# Altium PCB QAM16_PCB.PcbDoc (part 2 of 3)
Units mm, origin at the board's own origin, x right, y up, seen from the top; angles counter-clockwise.
Board outline 146.25 x 74.25 mm, 4 copper layers (Top Layer, MidLayer1, MidLayer2, Bottom Layer), stack 1.554 mm thick; 210 components, 131 nets, 714 pads, 562 vias.
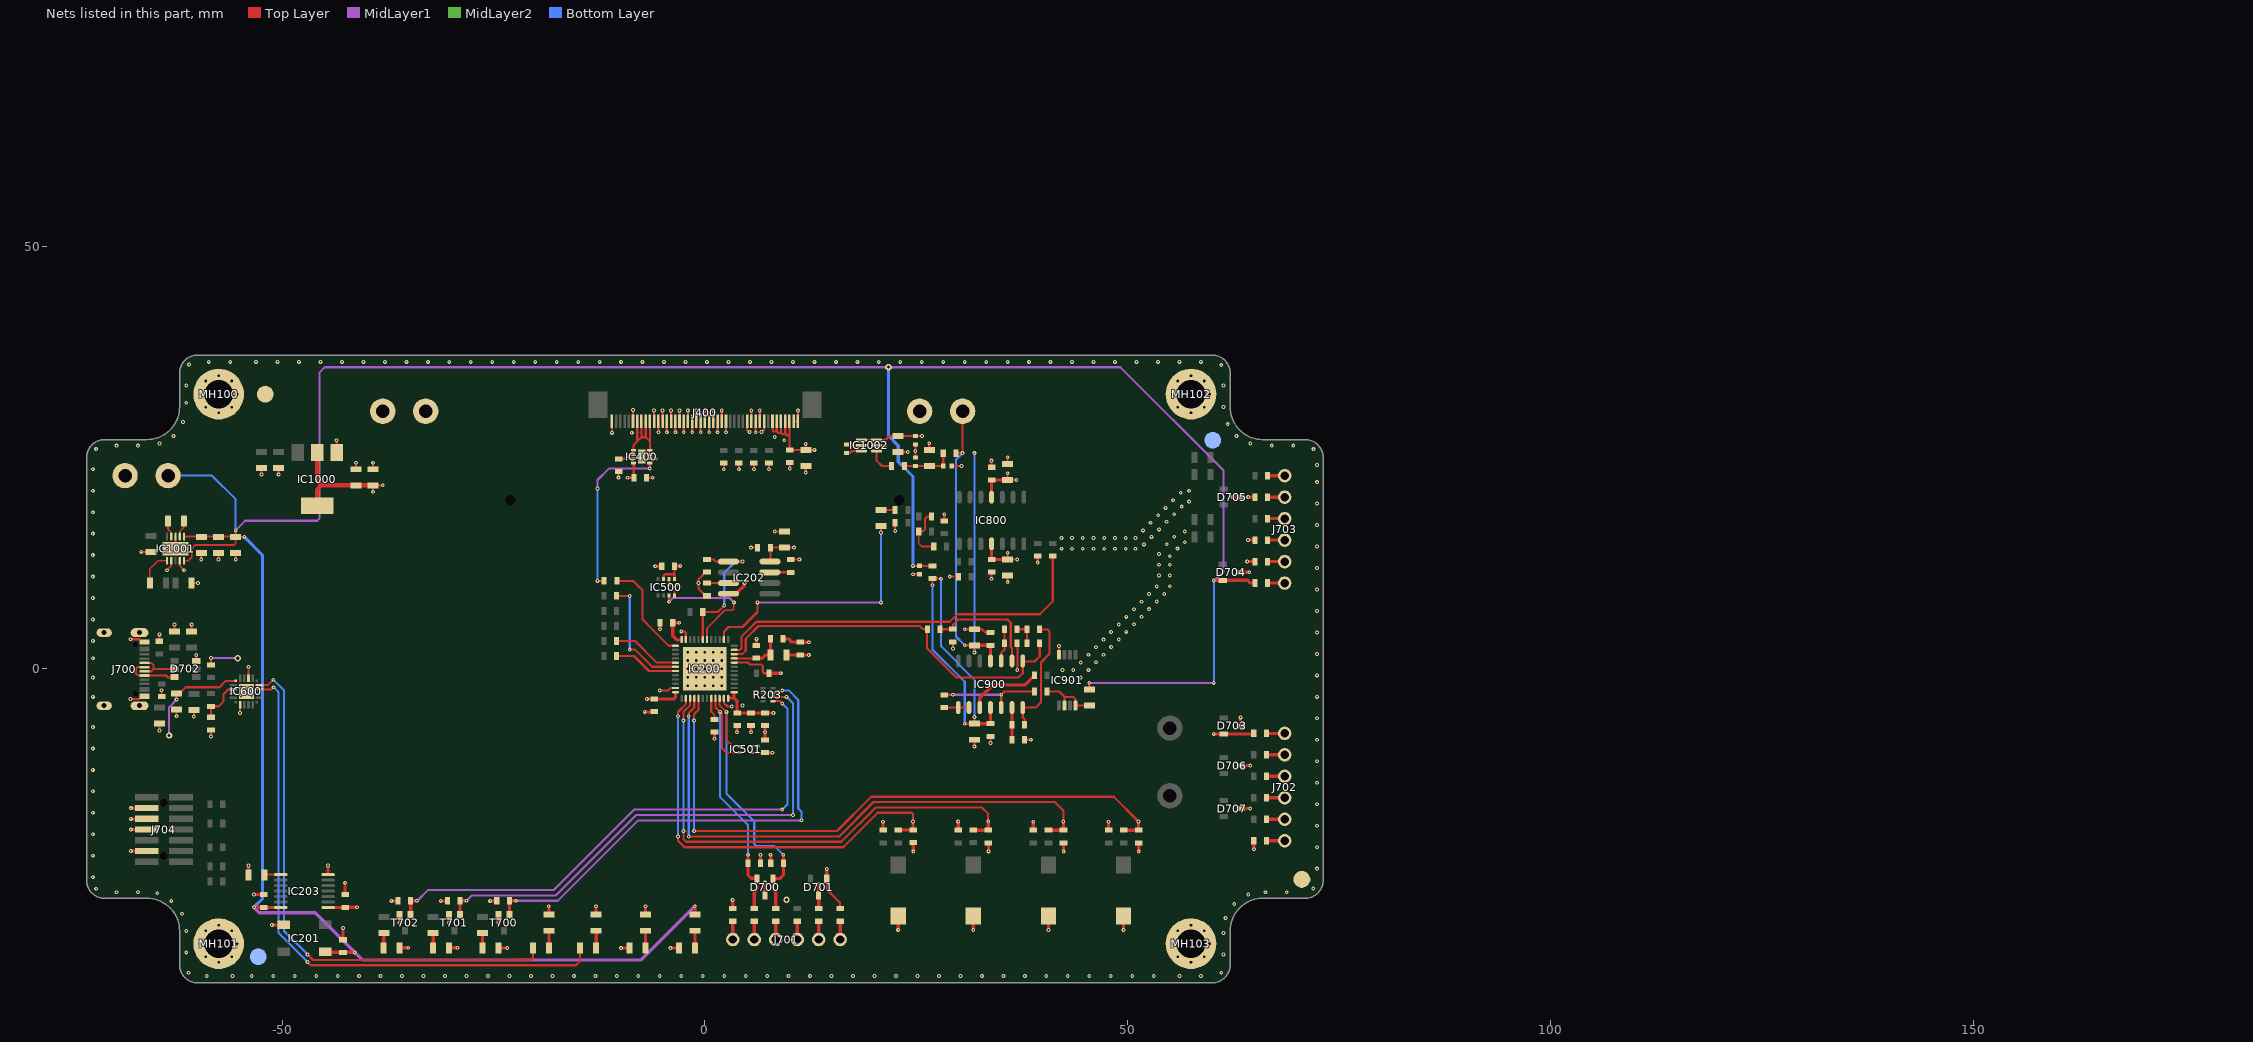
[diagram p4: the nets of this part, all layers, seen from the top]

## Via types
v1: diameter 0.45, hole 0.2, Top Layer to Bottom Layer, tented both sides, 558 vias
v2: diameter 0.762, hole 0.381, Top Layer to Bottom Layer, tented both sides, 3 vias
v3: diameter 0.813, hole 0.356, Top Layer to Bottom Layer, tented both sides, 1 vias

## Nets (pads, with @x,y where several pads share a name; then routed paths per layer and width w, separated by ;. In a path a pad name is that pad's centre, name@x,y a point inside that pad or via, vN(x,y) a via of type N, cw(c..) or ccw(c..) an arc to the next point about the centre after c; other vN are vias at no path point)
+3V3: C200.1 C201.1 C202.1 C203.1 C204.1 C205.1 C206.1 C207.1 C212.1 C400.1 C401.1 C402.1 C500.1 C502.1 C601.1 C1002.1 C1003.1 C1009.1 C1010.1 D701.1 D703.2 D708.1 D709.1 D710.1 FE700.1 FE706.1 IC200.1 IC200.24 IC200.36 IC200.48 IC202.8 IC203.1 IC400.8 IC500.6 IC500.8 IC501.3 IC600.6 IC1000.2 IC1000.4 IC1002.3 IC1002.4 J400.3 J400.4 J400.5 J400.6 J400.7 J400.40 J704.3 L200.1 R200.2 R201.2 R204.2 R205.1 R300.1 R301.1 R302.1 R303.1 R402.2 R407.2 R408.2 R409.2 R602.2 R603.2 R700.1 R703.1 R704.1 R1000.1 TP704.1 | length 122.4
  Top Layer w0.203: R205.1@-53.975,-24.379 R205.1@-53.97,-24.384
  Top Layer w0.254: v1(-62.484,-3.623) C601.1@-62.484,-3.094 ; C601.1@-62.484,-2.921 -62.261,-2.698 -61.941,-2.698 -61.402,-2.159 -57.404,-2.159 -56.662,-1.417 IC600.6@-55.479,-1.417 ; R700.1@-58.42,0.484 v1(-58.42,1.295) ; C212.1@-42.56,-28.209 C212.1@-42.545,-28.194 ; v1(-39.243,20.95) C1003.1@-39.243,21.717 v1(-38.1,21.717) ; v1(-9.144,22.606) C402.1@-8.382,22.606 -8.418,22.642 IC400.8@-8.418,24.356 IC400.8@-8.423,24.351 ; v1(-8.51,30.632) -8.501,30.624 J400.40@-8.501,29.285 ; IC500.6@-4.897,10.627 -4.873,10.651 -4.873,11.058 -4.724,11.207 -3.779,11.207 -3.597,11.389 ; IC500.8@-3.597,10.627 -3.597,11.389 ; C500.1@-3.597,11.897 -3.597,11.389 ; IC200.36@-3.48,-2.755 IC200.36@-3.475,-2.75 ; R200.2@0.254,8.66 0.081,8.833 -0.104,8.833 -0.762,9.491 v1(-0.762,10.16) -0.744,10.178 -0.744,10.607 -0.07,11.281 0.081,11.281 R201.2@0.254,11.454 ; v1@2.243,23.53 R409.2@2.243,24.316 ; v1@4.021,23.58 R408.2@4.021,24.366 ; IC501.3@5.526,-9.925 7.093,-9.925 C502.1@7.112,-9.906 ; v1@5.799,23.53 R407.2@5.799,24.316 ; v1@7.577,23.58 R402.2@7.577,24.366 ; IC202.8@7.694,12.7 7.747,12.753 C200.1@7.747,14.351 C201.1@9.398,14.351 v1(10.541,14.351) ; J400.7@7.999,29.285 7.999,28.229 8.147,28.08 8.499,28.08 ; J400.6@8.499,29.285 8.499,28.08 ; J400.5@8.999,29.285 8.999,27.931 ; J400.4@9.499,29.285 9.499,27.783 ; J400.3@9.999,29.285 9.992,29.278 9.992,27.634 ; R204.2@10.16,12.93 10.184,12.954 v1(11.176,12.954) ; v1(11.938,26.609) C400.1@11.938,25.908 ; v1(12.954,25.908) C400.1@11.938,25.908 ; D701.1@14.412,-24.777 14.412,-26.096 16.002,-27.686 FE700.1@16.002,-28.345 ; IC1002.4@18.505,27.081 IC1002.3@20.32,27.081 21.366,27.081 21.844,27.559 C1010.1@22.86,27.559 C1009.1@24.892,27.559 ; C1009.1@24.896,27.559 v1(25.682,27.559) ; 8.499,28.08 8.647,27.931 8.999,27.931 ; 8.999,27.931 9.147,27.783 9.499,27.783 ; 9.499,27.783 9.647,27.634 9.992,27.634 ; 9.992,27.634 9.992,25.949 C401.1@10.033,25.908 C400.1@11.938,25.908
  Top Layer w0.381: v1(-67.895,-16.465) J704.3@-66.04,-16.465 ; R205.1@-53.975,-24.379 v1(-53.975,-23.241) ; IC203.1@-44.55,-28.209 C212.1@-42.56,-28.209 ; C212.1@-42.54,-28.189 v1(-41.148,-28.189) ; D710.1@-36.09,-32.99 -35.105,-32.99 v1(-35.095,-32.98) ; D709.1@-30.248,-32.99 -29.263,-32.99 v1(-29.253,-32.98) ; D708.1@-24.379,-33.01 -23.394,-33.01 v1(-23.384,-33) ; v1(-18.462,-28.063) -18.452,-28.073 R602.2@-18.452,-29.058 ; v1(-12.874,-28.063) -12.864,-28.073 R603.2@-12.864,-29.058 ; v1(-7.032,-28.063) -7.022,-28.073 R1000.1@-7.022,-29.058 ; v1(-6.858,-3.556) -6.223,-3.556 -6.211,-3.568 -3.698,-3.568 -3.475,-3.345 IC200.36@-3.475,-2.8 ; C206.1@-3.798,5.461 -3.798,3.925 -3.302,3.429 -2.921,3.429 ; C206.1@-3.749,5.461 v1(-3.024,5.461) ; C500.1@-3.597,11.897 -3.597,12.041 -3.487,12.151 -3.487,12.188 -2.925,12.188 v1(-2.921,12.192) ; 2.921,-3.429 3.429,-3.429 ; 3.429,-2.921 3.429,-3.429 ; v1(6.584,-21.982) 6.594,-21.992 R704.1@6.594,-22.977 ; C502.1@7.062,-9.906 C502.1@7.112,-9.906 v1(8.001,-9.906) ; v1(7.775,-21.982) 7.785,-21.992 R703.1@7.785,-22.977 ; v1(8.102,-5.207) C204.1@7.112,-5.207 C202.1@5.461,-5.207 C203.1@3.81,-5.207 3.81,-3.81 3.429,-3.429 ; L200.1@9.297,3.556 9.906,3.556 10.287,3.175 C207.1@11.291,3.175 ; C207.1@11.303,3.163 v1(12.319,3.163) ; D701.1@14.412,-24.777 v1(14.412,-23.663) ; v1(21.062,-18.069) 21.072,-18.079 R300.1@21.072,-19.064 ; v1(29.952,-18.045) 29.962,-18.055 R301.1@29.962,-19.04 ; v1(38.842,-18.069) 38.852,-18.079 R302.1@38.852,-19.064 ; v1(47.732,-18.069) 47.742,-18.079 R303.1@47.742,-19.064 ; v1(60.192,-7.681) 61.307,-7.681 D703.2@61.34,-7.714 ; D703.2@61.373,-7.681 64.86,-7.681 FE706.1@64.921,-7.62
  Top Layer w0.508: IC1000.4@-45.847,19.304 -45.847,21.209 -45.339,21.717 ; IC1000.2@-45.847,25.604 -45.847,22.225 -45.339,21.717 ; C1003.1@-39.243,21.717 C1002.1@-41.275,21.717 -45.339,21.717
  MidLayer1 w0.254: v2(-63.373,-7.874) -63.373,-4.512 v1(-62.484,-3.623) ; v1(-58.42,1.295) -55.27,1.295 v2(-55.245,1.27)
  other v1: 2.243,23.622 4.021,23.622 5.799,23.622 7.577,23.622
+3V3A: C208.1 C209.1 IC200.9 L200.2 | length 6.3
  Top Layer w0.254: IC200.9@3.475,1.25 3.48,1.255 6.096,1.255 C209.1@6.097,1.256 ; C208.1@7.739,1.643 C208.1@7.747,1.651
  Top Layer w0.381: C209.1@6.097,1.256 6.778,1.256 7.165,1.643 C208.1@7.739,1.643 ; C208.1@7.747,1.651 L200.2@7.747,3.556
+5V: C211.1 C213.1 C810.1 C1005.1 C1006.1 C1007.1 D704.2 FE709.1 FE801.2 IC201.1 IC203.14 IC1001.1 IC1001.10 R901.1 R1001.1 TP701.1 | length 352.4
  Top Layer w0.203: IC1001.10@-61.611,12.789 -61.125,12.789 -60.706,13.208 -60.706,14.224 -60.259,14.671 -55.687,14.671 -55.499,14.859 C1007.1@-55.499,15.621 -55.537,15.659 IC1001.1@-61.611,15.659
  Top Layer w0.254: v1(-55.499,16.388) C1007.1@-55.499,15.621 v1(-54.483,15.621) ; v1(24.614,12.192) C810.1@25.4,12.192 FE801.2@26.924,12.192 ; R901.1@45.466,-2.418 v1(45.466,-1.632)
  Top Layer w0.381: v1(-53.34,-28.194) C213.1@-52.207,-28.194 ; C213.1@-52.182,-28.209 IC203.14@-50.18,-28.209 ; IC201.1@-44.921,-33.477 -44.895,-33.502 C211.1@-42.825,-33.502 ; C211.1@-42.794,-33.523 v1(-41.402,-33.523) ; v1(-1.19,-28.063) -1.18,-28.073 R1001.1@-1.18,-29.058 ; v1@60.203,10.47 D704.2@61.236,10.47 ; D704.2@61.246,10.48 64.208,10.48 64.528,10.16 FE709.1@65.048,10.16
  MidLayer1 w0.254: v1(-55.499,16.388) -54.361,17.526 -45.847,17.526 -45.593,17.78 -45.593,35.052 -44.958,35.687 49.149,35.687 61.341,23.495 61.341,11.557 60.33,10.546 60.313,10.546 60.24,10.473 v1(60.2,10.473) ; v1(45.466,-1.632) 45.485,-1.651 v1(60.198,-1.651)
  MidLayer1 w0.381: v1(-53.34,-28.194) -52.705,-28.829 -46.096,-28.829 v1(-41.402,-33.523) -40.508,-34.417 -7.544,-34.417 v1(-1.19,-28.063)
  Bottom Layer w0.254: TP701.1@-63.5,22.86 -58.293,22.86 -55.499,20.066 v1(-55.499,16.388) ; v1(60.198,-1.651) 60.2,-1.649 v1(60.2,10.473)
  Bottom Layer w0.381: v1(-54.483,15.621) -52.324,13.462 -52.324,-27.178 v1(-53.34,-28.194) ; v3(21.717,35.687) 21.717,27.559 22.86,26.416 22.86,24.511 24.614,22.757 v1(24.614,12.192)
+5V_AVCC: C811.1 C812.1 C813.1 C814.1 FE801.1 IC800.4 IC900.4 | length 49.2
  Top Layer w0.254: v1(26.924,9.906) FE801.1@26.924,10.692 v1@27.937,10.692 ; v1(30.734,-6.477) C811.1@31.877,-6.477 v1(31.877,-5.691) ; v1(35.814,13.74) C813.1@35.814,12.954 v1(36.957,12.954)
  Top Layer w0.381: C811.1@31.877,-6.477 C812.1@33.782,-6.477 IC900.4@33.782,-4.572 ; IC800.4@33.909,14.8 C814.1@33.909,12.954 C813.1@35.814,12.954
  Bottom Layer w0.254: v1(26.924,9.906) 26.924,2.286 30.734,-1.524 v1(30.734,-6.477) ; v1(27.94,10.668) 27.94,2.667 31.877,-1.27 v1(31.877,-5.691)
-3V3: C803.1 C1008.1 C1012.1 FE800.2 R1003.2 | length 6.1
  Top Layer w0.254: R1003.2@23.598,24.003 C1008.1@26.543,24.003 C803.1@28.194,24.003 FE800.2@28.194,25.527
-3V3_AVCC: C804.1 C805.1 C806.1 C807.1 FE800.1 IC800.11 IC900.11 TP705.1 | length 64.2
  Top Layer w0.254: FE800.1@29.694,25.527 v1(30.48,25.527) TP705.1@30.48,30.48 ; v1(30.734,2.794) C804.1@31.877,2.794 ; v1(31.877,1.942) C804.1@31.877,2.728 ; v1(35.814,23.138) C806.1@35.814,22.352 v1(36.83,22.352)
  Top Layer w0.381: C804.1@31.877,2.794 C805.1@33.782,2.794 IC900.11@33.782,0.948 ; IC800.11@33.909,20.32 C807.1@33.909,22.352 C806.1@35.814,22.352
  Bottom Layer w0.254: v1(30.48,25.527) 29.694,24.741 29.694,3.834 v1(30.734,2.794) ; v1(31.877,1.942) v1(31.877,25.527)
\FLASH_CS: IC200.19 IC202.1 R201.1 R206.1 | length 17
  Top Layer w0.254: IC200.19@-0.25,3.475 -0.25,5.203 -0.254,5.207 R206.1@-0.254,6.731 1.524,6.731 v1(2.286,7.493) ; R201.1@0.254,12.954 1.024,12.954 1.278,12.7 IC202.1@2.794,12.7 v1(4.445,12.7)
  Bottom Layer w0.254: v1(2.286,7.493) 2.286,11.367 3.619,12.7 v1(4.445,12.7)
_OP1_OUT: IC900.1 IC900.2 R905.1 | length 2.9
  Top Layer w0.254: R905.1@28.321,-4.572 IC900.1@29.972,-4.572 IC900.2@31.242,-4.572
_OP2_+: IC900.5 R902.2 R905.2 | length 12.4
  Top Layer w0.254: R905.2@28.321,-3.072 28.345,-3.048 v1(29.337,-3.048) ; IC900.5@35.052,-4.572 v1(35.052,-3.048) 35.433,-2.667 R902.2@38.989,-2.667
  MidLayer1 w0.254: v1(29.337,-3.048) v1(35.052,-3.048)
_OP2_-: IC900.6 R906.2 R908.2 | length 3.8
  Top Layer w0.381: R908.2@36.322,-8.382 R906.2@36.322,-6.604 IC900.6@36.322,-4.572
_OP2_OUT: IC900.7 R900.1 R906.1 | length 14.7
  Top Layer w0.254: R906.1@37.822,-6.604 37.799,-6.581 37.799,-5.922 37.592,-5.715 IC900.7@37.592,-4.572 39.116,-4.572 39.751,-3.937 39.751,0.762 40.767,1.778 40.767,4.445 40.561,4.651 39.552,4.651 R900.1@39.6,4.699
_OP3_+: C901.2 IC900.10 R903.2 | length 3.9
  Top Layer w0.254: IC900.10@35.052,0.948 35.052,1.905 35.433,2.286 C901.2@35.433,3.048 R903.2@35.433,4.699
_OP3_-: IC900.9 R907.2 R909.2 | length 13.9
  Top Layer w0.254: R907.2@27.813,4.699 R909.2@29.337,4.699 29.361,4.723 29.361,5.231 29.972,5.842 35.802,5.842 36.183,5.461 36.183,2.581 36.322,2.442 IC900.9@36.322,0.948
ADC_IN5: C900.2 IC200.10 IC900.8 R907.1 | length 45.7
  Top Layer w0.254: IC200.10@3.475,1.75 4.417,1.75 4.828,2.161 4.828,3.558 6.35,5.08 25.421,5.08 25.781,4.721 26.291,4.721 R907.1@26.313,4.699 26.289,4.675 26.289,2.413 29.718,-1.016 37.084,-1.016 37.592,-0.508 IC900.8@37.592,0.948 37.651,0.889 38.989,0.889 39.6,1.5 C900.2@39.6,3.048
ADC_IN6: IC200.11 R807.1 | length 46.2
  Top Layer w0.254: IC200.11@3.475,2.25 4.155,2.25 4.318,2.413 4.318,3.81 6.096,5.588 28.956,5.588 29.845,6.477 39.624,6.477 41.148,8.001 R807.1@41.148,13.359
BME_CS: IC200.18 IC500.2 | length 15
  Top Layer w0.203: IC200.18@0.25,3.475 0.25,4.822 2.362,6.934 3.229,6.934 3.429,7.134 v1(3.429,7.874)
  Top Layer w0.254: IC500.2@-4.255,8.619 -4.255,7.961 v1(-4.232,7.938)
  MidLayer1 w0.254: v1(-4.232,7.938) -3.788,8.382 2.921,8.382 v1(3.429,7.874)
BOOT0: IC200.44 R202.1 | length 2.7
  Top Layer w0.254: IC200.44@0.75,-3.475 0.75,-5.068 1.119,-5.437 1.119,-5.945 R202.1@1.143,-5.969
BTN1: C300.1 IC200.38 R304.2 | length 50.7
  Top Layer w0.254: v1(-3.175,-19.812) -3.175,-20.32 -2.413,-21.082 16.383,-21.082 20.447,-17.018 24.469,-17.018 24.618,-17.167 v1(24.618,-18.045) ; v1(-3.175,-5.588) -3.175,-5.092 -2.25,-4.167 IC200.38@-2.25,-3.475
  Top Layer w0.381: R304.2@22.86,-19.074 22.872,-19.062 24.606,-19.062 24.628,-19.04 24.628,-18.055 v1(24.618,-18.045)
  Bottom Layer w0.254: v1(-3.175,-19.812) v1(-3.175,-5.588)
BTN2: C301.1 IC200.39 R305.2 | length 58.8
  Top Layer w0.254: v1(-2.54,-19.177) -2.54,-20.12 -2.213,-20.447 16.129,-20.447 20.193,-16.383 32.766,-16.383 33.508,-17.125 v1(33.508,-18.021) ; v1(-2.54,-6.096) -2.54,-5.103 -1.75,-4.313 IC200.39@-1.75,-3.475
  Top Layer w0.381: R305.2@31.75,-19.098 31.762,-19.086 33.496,-19.086 C301.1@33.518,-19.064 ; v1(33.508,-18.021) 33.518,-18.031 C301.1@33.518,-19.016
  Bottom Layer w0.254: v1(-2.54,-19.177) v1(-2.54,-6.096)
BTN3: C302.1 IC200.40 R306.2 | length 67.1
  Top Layer w0.254: v1(-1.905,-19.812) 15.875,-19.812 19.939,-15.748 41.402,-15.748 42.398,-16.744 v1(42.398,-18.045) ; v1(-1.905,-5.588) -1.905,-5.207 -1.25,-4.552 IC200.40@-1.25,-3.475
  Top Layer w0.381: R306.2@40.64,-19.098 40.652,-19.086 42.386,-19.086 C302.1@42.408,-19.064 ; v1(42.398,-18.045) 42.408,-18.055 C302.1@42.408,-19.04
  Bottom Layer w0.254: v1(-1.905,-19.812) v1(-1.905,-5.588)
BTN4: C303.1 IC200.41 R307.2 | length 74.2
  Top Layer w0.254: v1(-1.27,-19.177) 15.621,-19.177 19.685,-15.113 48.356,-15.113 v1(51.288,-18.045) ; v1(-1.27,-6.096) -1.27,-5.334 -0.75,-4.814 IC200.41@-0.75,-3.475
  Top Layer w0.381: R307.2@49.53,-19.098 49.542,-19.086 51.276,-19.086 C303.1@51.298,-19.064 ; v1(51.288,-18.045) 51.298,-18.055 C303.1@51.298,-19.04
  Bottom Layer w0.254: v1(-1.27,-19.177) v1(-1.27,-6.096)
DAC1_OUT: C801.1 IC200.14 | length 30.6
  Top Layer w0.254: IC200.14@2.25,3.475 2.255,3.48 2.255,4.414 2.794,4.953 4.445,4.953 6.223,6.731 v1(6.223,7.874) ; v1(20.828,16.129) C801.1@20.828,16.896
  MidLayer1 w0.254: v1(6.223,7.874) v1(20.828,7.874)
  Bottom Layer w0.254: v1(20.828,7.874) v1(20.828,16.129)
DISP_BL: IC200.25 R406.2 | length 12.1
  Top Layer w0.254: R406.2@-10.414,10.414 -8.509,10.414 -7.366,9.271 -7.366,5.842 -6.096,4.572 -4.274,2.75 IC200.25@-3.475,2.75
DISP_CS: IC200.29 R401.2 | length 8
  Top Layer w0.254: R401.2@-10.438,3.302 -10.388,3.302 -8.255,3.302 -5.703,0.75 IC200.29@-3.475,0.75
DISP_DC: IC200.31 R400.2 | length 7.7
  Top Layer w0.254: R400.2@-10.438,1.524 -8.382,1.524 -6.608,-0.25 IC200.31@-3.475,-0.25
DISP_RST: IC200.30 R405.2 | length 14.2
  Top Layer w0.254: R405.2@-10.438,8.636 v1(-8.89,8.636) ; v1(-8.89,2.286) -8.255,2.286 -6.219,0.25 IC200.30@-3.475,0.25
  Bottom Layer w0.254: v1(-8.89,2.286) v1(-8.89,8.636)
GND: C200.2 C201.2 C202.2 C203.2 C204.2 C205.2 C206.2 C207.2 C208.2 C209.2 C210.2 C211.2 C212.2 C213.2 C300.2 C301.2 C302.2 C303.2 C400.2 C401.2 C402.2 C500.2 C502.2 C600.2 C601.2 C700.2 C701.2 C702.2 C802.1 C803.2 C804.2 C805.2 C806.2 C807.2 C810.2 C811.2 C812.2 C813.2 C814.2 C901.1 C1000.2 C1001.2 C1002.2 C1003.2 C1004.2 C1005.2 C1006.2 C1007.2 C1008.2 C1009.2 C1010.2 C1012.2 C1013.2 D700.3 D701.3 D702.6 D703.3 D704.3 D705.3 D706.3 D707.3 D1000.2 D1001.2 FE701.1 FE705.1 FE711.1 FE713.1 FE714.1 FE716.1 FID100.1 FID101.1 FID102.1 FID103.1 IC200.0 IC200.8 IC200.23 IC200.35 IC200.47 IC201.3 IC202.4 IC203.7 IC400.0 IC400.2 IC500.1 IC500.7 IC501.4 IC600.3 IC600.12 IC600.21 IC901.4 IC1000.1 IC1001.0 IC1001.3 IC1001.7 IC1001.9 IC1002.2 J400.1 J400.2 J400.9 J400.10 J400.11 J400.12 J400.13 J400.18 J400.19 J400.20 J400.21 J400.22 J400.23 J400.24 J400.25 J400.26 J400.27 J400.28 J400.29 J400.30 J400.31 J400.32 J400.33 J400.34 J400.35 J400.45 J700.A1 J700.B1 J700.S1 J704.5 J704.7 J704.11 KEY300.1 KEY301.1 KEY302.1 KEY303.1 MH100.1 MH101.1 MH102.1 MH103.1 R202.2 R410.2 R601.2 R701.2 R702.2 R717.2 R718.2 R719.2 R804.2 R805.1 R806.1 R908.1 R909.1 T700.2 T701.2 T702.2 TP707.1 TP708.1 TP710.1 | length 232.7
  Top Layer w0.203: v1(-63.627,11.684) -63.111,12.2 IC1001.7@-63.111,12.789 ; IC1001.0@-62.611,14.224 IC1001.3@-62.611,15.659 ; IC1001.9@-62.111,12.789 -62.111,12.2 v1(-61.595,11.684)
  Top Layer w0.254: v1(-67.945,-3.556) -67.932,-3.569 -67.644,-3.569 -67.64,-3.573 -67.098,-3.573 ; v1@-67.932,3.513 -67.644,3.513 ; -67.64,3.517 -67.098,3.517 ; -67.097,3.516 -66.891,3.516 J700.A1@-66.742,3.367 ; v1(-66.675,13.843) -66.67,13.848 C1004.2@-65.532,13.848 ; J700.B1@-66.294,-3.228 -66.569,-3.228 -66.742,-3.401 -66.742,-3.423 -66.891,-3.572 -67.097,-3.572 ; v1(-64.516,-7.283) C701.2@-64.516,-6.472 ; R701.2@-64.516,3.278 v1(-64.516,4.089) ; R702.2@-64.262,-3.278 v1(-64.262,-2.528) ; C700.2@-62.738,4.44 v1(-62.738,5.251) ; v1(-62.484,-5.588) C601.2@-62.484,-4.694 ; C1013.2@-60.711,10.16 v1(-59.944,10.16) ; C702.2@-60.706,4.44 v1(-60.706,5.251) ; v1(-60.447,-5.63) C600.2@-60.447,-4.844 ; v1(-60.15,1.647) -60.15,0.952 D702.6@-60.148,0.95 ; v1(-59.563,12.954) C1006.2@-59.563,13.721 ; v1(-58.42,-8.001) -58.42,-7.388 -58.168,-7.136 R601.2@-58.14,-7.136 ; v1(-57.531,12.954) C1005.2@-57.531,13.721 ; v1(-55.499,12.954) C1007.2@-55.499,13.721 ; v1(-54.991,-5.207) -54.991,-4.191 -54.979,-4.203 IC600.12@-54.979,-4.217 ; IC600.3@-53.975,-1.135 v1(-53.975,0.254) ; v1(-52.451,22.987) C1000.2@-52.451,23.754 ; v1(-50.419,22.987) C1001.2@-50.419,23.754 ; v1(-43.561,27.051) -43.547,27.037 IC1000.1@-43.547,25.604 ; C1002.2@-41.275,23.617 v1(-41.275,24.384) ; C1003.2@-39.243,23.617 v1(-39.243,24.384) ; J400.45@-11.001,29.285 -11.001,27.934 v1(-10.991,27.924) ; R410.2@-10.238,23.353 -10.201,23.39 v1(-10.201,22.628) ; C402.2@-6.896,22.57 -6.932,22.606 v1(-6.17,22.606) ; IC400.2@-6.568,24.856 v1(-5.806,24.856) ; v1(-6.01,30.566) -6.001,30.558 J400.35@-6.001,29.285 J400.35@-6.001,29.219 ; J400.34@-5.501,29.351 J400.34@-5.501,29.285 -5.501,28.012 v1(-5.492,28.003) ; v1(-5.334,-2.54) -4.318,-2.54 -4.028,-2.25 IC200.35@-3.475,-2.25 ; v1(-5.01,30.566) -5.001,30.558 J400.33@-5.001,29.285 J400.33@-5.001,29.219 ; J400.32@-4.501,29.351 -4.501,28.012 v1(-4.492,28.003) ; IC500.7@-4.249,10.605 -4.249,9.992 v1(-4.245,9.988) ; v1(-4.01,30.566) -4.001,30.558 J400.31@-4.001,29.285 J400.31@-4.001,29.219 ; IC500.1@-3.582,8.692 -3.576,8.698 -3.576,9.706 -3.361,9.921 v1(-3.361,9.953) ; J400.30@-3.501,29.351 J400.30@-3.501,29.285 -3.501,28.012 v1(-3.492,28.003) ; v1(-3.01,30.566) -3.001,30.558 J400.29@-3.001,29.285 J400.29@-3.001,29.219 ; v1(-2.794,4.445) -2.413,4.445 -2.255,4.287 -2.255,3.48 IC200.23@-2.25,3.475 ; J400.28@-2.501,29.351 J400.28@-2.501,29.285 -2.501,28.012 v1(-2.492,28.003) ; v1(-2.01,30.566) -2.001,30.558 J400.27@-2.001,29.285 J400.27@-2.001,29.219 ; J400.26@-1.501,29.351 -1.501,28.012 v1(-1.492,28.003) ; v1(-1.01,30.566) -1.001,30.558 J400.25@-1.001,29.219 ; J400.24@-0.501,29.351 J400.24@-0.501,29.285 -0.501,28.012 v1(-0.492,28.003) ; v1(-0.01,30.566) -0.001,30.558 J400.23@-0.001,29.285 J400.23@-0.001,29.219 ; J400.22@0.499,29.351 J400.22@0.499,29.285 0.499,28.012 v1(0.508,28.003) ; v1(0.99,30.566) 0.999,30.558 J400.21@0.999,29.285 J400.21@0.999,29.219 ; J400.20@1.499,29.351 J400.20@1.499,29.285 1.499,28.012 v1(1.508,28.003) ; v1(1.99,30.566) 1.999,30.558 J400.19@1.999,29.285 J400.19@1.999,29.219 ; IC200.47@2.25,-3.475 2.25,-4.028 2.667,-4.445 v1(3.175,-4.445) ; J400.18@2.499,29.351 J400.18@2.499,29.285 2.499,28.012 v1(2.508,28.003) ; IC200.8@3.475,0.75 5.092,0.75 5.334,0.508 6.697,0.508 6.846,0.359 6.846,-0.359 6.995,-0.508 C210.2@7.596,-0.508 ; J400.13@4.999,29.351 J400.13@4.999,29.285 4.999,28.231 5.187,28.043 5.265,28.043 v1(5.293,28.015) ; v1(5.461,14.351) C200.2@6.247,14.351 ; IC501.4@5.476,-9.125 IC501.4@5.526,-9.125 v1(6.262,-9.125) ; v1(5.49,30.566) 5.499,30.558 J400.12@5.499,29.285 J400.12@5.499,29.219 ; J400.11@5.999,29.351 J400.11@5.999,29.285 5.999,28.012 v1(6.008,28.003) ; v1(6.49,30.566) 6.499,30.558 J400.10@6.499,29.285 J400.10@6.499,29.219 ; v1(6.69,28.015) 6.989,28.314 6.989,29.341 J400.9@6.999,29.351 ; v1(8.255,16.256) 9.393,16.256 C201.2@9.398,16.251 ; v1(10.033,23.707) C401.2@10.033,24.408 ; J400.2@10.499,29.285 J400.1@10.999,29.285 10.999,30.546 v1(11.008,30.555) ; C207.2@11.291,1.651 C207.2@11.303,1.663 ; v1(11.938,23.241) C400.2@11.938,24.008 ; IC1002.2@20.198,26.431 IC1002.2@20.32,26.431 21.336,26.431 v1(21.341,26.426) ; R804.2@22.503,17.272 22.503,16.32 v1(22.507,16.317) ; C1010.2@22.86,25.659 23.998,25.659 v1(24.003,25.654) ; v1(24.614,11.192) C810.2@25.4,11.192 ; C1012.2@24.892,25.003 v1(24.892,25.773) C1009.2@24.892,26.559 ; C1008.2@26.543,25.903 v1(26.543,26.689) ; C802.1@28.321,17.502 v1(28.321,18.288) ; v1(28.956,10.922) R805.1@29.996,10.922 ; C803.2@29.194,24.003 v1(30.353,24.003) ; v1(29.337,2.413) R909.1@29.337,3.199 ; v1(30.734,4.699) 30.739,4.694 C804.2@31.877,4.694 32.771,4.694 33.147,4.318 33.758,4.318 C805.2@33.782,4.294 ; v1(31.877,-9.163) C811.2@31.877,-8.377 ; v1(33.782,-8.763) C812.2@33.782,-7.977 ; v1(33.909,10.668) C814.2@33.909,11.454 ; C807.2@33.909,23.852 v1(33.909,24.638) ; v1(35.814,10.268) C813.2@35.814,11.054 ; C806.2@35.814,24.252 v1(35.814,25.038) ; C901.1@36.933,3.048 36.957,3.024 v1(36.957,-0.127) ; R908.1@37.772,-8.382 R908.1@37.822,-8.382 v1(38.558,-8.382) ; v1(39.37,12.573) R806.1@39.37,13.359 ; IC901.4@41.88,1.682 v1(41.88,2.712) ; -67.098,-3.573 -67.097,-3.572
  Top Layer w0.381: v1(-67.895,-21.545) J704.11@-66.04,-21.545 ; v1(-67.895,-19.005) J704.7@-66.04,-19.005 ; v1(-67.895,-17.735) J704.5@-66.04,-17.735 ; v1(-53.328,-26.682) C213.2@-52.219,-26.682 ; v1(-51.218,-30.282) IC201.3@-49.826,-30.282 ; IC203.7@-44.577,-24.308 v1(-44.577,-23.241) ; C211.2@-42.804,-32.023 v1(-42.804,-30.631) ; C212.2@-42.55,-26.689 v1(-42.55,-25.297) ; v1(-37.084,-27.432) -36.333,-27.432 R718.2@-36.326,-27.424 ; v1(-36.125,-30.026) -36.118,-30.018 T702.2@-36.118,-29.095 ; v1(-31.242,-27.432) -30.491,-27.432 R719.2@-30.484,-27.424 ; v1(-30.283,-30.026) -30.276,-30.018 -30.276,-29.095 T701.2@-30.258,-29.078 ; v1(-25.4,-27.432) -24.649,-27.432 R717.2@-24.642,-27.424 ; v1(-24.441,-30.026) -24.434,-30.018 -24.434,-29.095 T700.2@-24.416,-29.078 ; v1(-9.917,-33.02) -9.907,-33.01 D1000.2@-8.922,-33.01 ; v1(-7.112,-5.08) -6.223,-5.08 C205.2@-6.211,-5.068 ; v1@-5.878,12.151 C500.2@-5.097,12.151 ; v1(-5.31,4.684) -5.306,4.688 C206.2@-5.306,5.403 ; v1(-4.075,-33.02) -4.065,-33.01 D1001.2@-3.08,-33.01 ; v1(1.143,-8.255) R202.2@1.143,-7.47 ; IC202.4@2.794,8.89 2.904,9 3.793,9 4.695,9.902 4.695,10.156 v1(4.699,10.16) ; v1(3.282,-27.34) 3.292,-27.35 FE705.1@3.292,-28.335 ; v1(3.81,-7.493) C203.2@3.81,-6.707 C203.2@3.81,-6.658 ; v1(5.461,-7.493) C202.2@5.461,-6.707 C202.2@5.461,-6.658 ; C209.2@6.096,2.721 C209.2@6.096,2.77 v1(6.096,3.556) ; D700.3@7.112,-26.817 D700.3@7.112,-26.797 v1(7.112,-25.273) ; C502.2@7.112,-8.406 v1(7.112,-7.493) C204.2@7.112,-6.707 C204.2@7.112,-6.658 ; C210.2@7.596,-0.508 v1(8.986,-0.508) ; C208.2@9.647,1.651 C207.2@11.291,1.651 ; C207.2@11.303,1.651 v1(12.302,1.651) ; FE701.1@13.462,-28.345 D701.3@13.462,-26.797 v1(13.462,-25.4) ; v1(22.86,-30.861) 22.86,-29.23 KEY300.1@22.87,-29.22 ; C300.2@24.648,-20.61 24.648,-21.595 v1(24.658,-21.605) ; v1(31.75,-30.885) 31.75,-29.254 KEY301.1@31.76,-29.244 ; C301.2@33.538,-20.586 33.538,-21.571 v1(33.548,-21.581) ; v1(40.64,-30.885) 40.64,-29.254 KEY302.1@40.65,-29.244 ; C302.2@42.428,-20.61 42.428,-21.595 v1(42.438,-21.605) ; v1(49.53,-30.885) 49.53,-29.254 KEY303.1@49.54,-29.244 ; C303.2@51.318,-20.61 51.318,-21.595 v1(51.328,-21.605) ; v1(62.365,20.32) D705.3@63.307,20.32 ; D704.3@63.312,11.43 v1(64.389,11.43) ; v1(63.353,-5.726) 63.363,-5.736 D703.3@63.363,-6.721 ; D706.3@63.383,-11.42 63.393,-11.43 v1(64.516,-11.43) ; D707.3@63.393,-16.51 v1(64.516,-16.51) ; v1(64.135,12.7) 65.028,12.7 FE711.1@65.038,12.69 ; v1(64.24,15.24) 65.028,15.24 FE713.1@65.038,15.23 ; v1(64.256,20.344) 64.938,20.344 65.036,20.247 FE716.1@65.036,20.218 ; FE714.1@64.931,-20.33 64.931,-21.315 v1(64.941,-21.325)
  MidLayer1 w0.203: IC200.0@-2,-2 IC200.0@-2,-1 ; IC200.0@-2,2 IC200.0@-2,1 IC200.0@-2,0 IC200.0@-2,-1 ; IC200.0@-1,-2 IC200.0@-1,-1 ; IC200.0@-1,2 IC200.0@-1,1 IC200.0@-1,0 ; IC200.0@0,-2 IC200.0@0,-1 ; IC200.0@0,2 IC200.0@0,1 ; IC200.0@1,-2 IC200.0@1,-1 ; IC200.0@1,2 IC200.0@1,1 ; IC200.0@2,-2 IC200.0@2,-1 IC200.0@1,-1 ; IC200.0@2,0 IC200.0@1,0 IC200.0@1,-1 ; IC200.0@2,2 IC200.0@2,1 IC200.0@1,1 ; IC200.0@-2,-1 IC200.0@-1,-1 ; IC200.0@-1,-1 IC200.0@0,-1 ; IC200.0@-1,-1 IC200.0@-1,0 ; IC200.0@-1,0 IC200.0@0,0 IC200.0@0,1 ; IC200.0@0,-1 IC200.0@1,-1 ; IC200.0@0,1 IC200.0@1,1
  MidLayer2 w0.203: IC200.0@-2,-2 IC200.0@-2,-1 ; IC200.0@-2,2 IC200.0@-2,1 IC200.0@-2,0 IC200.0@-2,-1 ; IC200.0@-1,-2 IC200.0@-1,-1 ; IC200.0@-1,2 IC200.0@-1,1 IC200.0@-1,0 ; IC200.0@0,-2 IC200.0@0,-1 ; IC200.0@0,2 IC200.0@0,1 ; IC200.0@1,-2 IC200.0@1,-1 ; IC200.0@1,2 IC200.0@1,1 ; IC200.0@2,-2 IC200.0@2,-1 IC200.0@1,-1 ; IC200.0@2,0 IC200.0@1,0 IC200.0@1,-1 ; IC200.0@2,2 IC200.0@2,1 IC200.0@1,1 ; IC200.0@-2,-1 IC200.0@-1,-1 ; IC200.0@-1,-1 IC200.0@0,-1 ; IC200.0@-1,-1 IC200.0@-1,0 ; IC200.0@-1,0 IC200.0@0,0 IC200.0@0,1 ; IC200.0@0,-1 IC200.0@1,-1 ; IC200.0@0,1 IC200.0@1,1
  Bottom Layer w0.203: IC200.0@-2,-2 IC200.0@-2,-1 ; IC200.0@-2,2 IC200.0@-2,1 IC200.0@-2,0 IC200.0@-2,-1 ; IC200.0@-1,-2 IC200.0@-1,-1 ; IC200.0@-1,2 IC200.0@-1,1 IC200.0@-1,0 ; IC200.0@0,-2 IC200.0@0,-1 ; IC200.0@0,2 IC200.0@0,1 ; IC200.0@1,-2 IC200.0@1,-1 ; IC200.0@1,2 IC200.0@1,1 ; IC200.0@2,-2 IC200.0@2,-1 IC200.0@1,-1 ; IC200.0@2,0 IC200.0@1,0 IC200.0@1,-1 ; IC200.0@2,2 IC200.0@2,1 IC200.0@1,1 ; IC200.0@-2,-1 IC200.0@-1,-1 ; IC200.0@-1,-1 IC200.0@0,-1 ; IC200.0@-1,-1 IC200.0@-1,0 ; IC200.0@-1,0 IC200.0@0,0 IC200.0@0,1 ; IC200.0@0,-1 IC200.0@1,-1 ; IC200.0@0,1 IC200.0@1,1
  other v1: -58.928,-36.322 -55.88,-36.322 -53.594,-36.322 -51.054,-36.322 -48.514,-36.322 -45.974,-36.322 -43.434,-36.322 -40.894,-36.322 -38.354,-36.322 -35.814,-36.322 -33.274,-36.322 -30.734,-36.322 -28.194,-36.322 -25.654,-36.322 -23.114,-36.322 -20.574,-36.322 -18.034,-36.322 -15.494,-36.322 -12.954,-36.322 -10.414,-36.322 -7.874,-36.322 -5.334,-36.322 -2.794,-36.322 -0.254,-36.322 2.286,-36.322 4.826,-36.322 7.366,-36.322 9.906,-36.322 12.446,-36.322 14.986,-36.322 17.526,-36.322 20.066,-36.322 22.606,-36.322 25.146,-36.322 27.686,-36.322 30.226,-36.322 32.766,-36.322 35.306,-36.322 37.846,-36.322 40.386,-36.322 42.926,-36.322 45.466,-36.322 48.006,-36.322 50.546,-36.322 53.086,-36.322 56.134,-36.322 58.674,-36.322 -61.084,-35.937 61.084,-35.937 61.341,-33.782 -61.341,-33.528 61.341,-31.242 -61.341,-30.988 61.595,-29.464 -61.849,-28.956 62.611,-27.813 -63.119,-27.432 64.262,-26.67 -64.77,-26.543 -69.596,-26.416 -67.056,-26.416 66.294,-26.416 68.834,-26.416 -72,-26 71.953,-25.974 -72.39,-24.638 72.39,-23.622 -72.39,-22.098 72.39,-21.082 -72.39,-19.558 72.39,-18.542 -72.39,-17.018 72.39,-16.002 -72.39,-14.478 72.39,-13.462 -72.39,-11.938 72.39,-10.922 -72.39,-9.398 72.39,-8.382 -72.39,-6.858 72.39,-5.842 4.445,-4.318 -72.39,-3.302 -54.864,-3.302 -53.594,-3.302 72.39,-3.302 -54.229,-2.667 -54.864,-2.032 -53.594,-2.032 43.561,-1.397 -72.39,-1.016 44.459,-1.007 72.39,-0.762 42.291,-0.127 43.561,-0.127 45.357,-0.109 44.459,0.771 46.255,0.789 -72.39,1.27 45.357,1.669 47.153,1.687 72.39,1.778 46.255,2.567 48.051,2.585 -72.39,3.302 47.153,3.465 48.949,3.483 -67.945,3.5 72.39,4.318 48.051,4.363 49.847,4.381 48.949,5.261 50.745,5.279 -72.39,5.842 49.847,6.159 51.643,6.177 72.39,6.858 50.745,7.057 52.541,7.075 51.643,7.955 53.439,7.973 -72.39,8.382 52.541,8.853 54.337,8.871 72.39,9.398 53.439,9.751 54.991,9.779 -72.39,10.922 53.721,11.049 54.991,11.049 72.39,11.938 -5.883,12.151 53.721,12.319 54.991,12.319 54.991,13.335 -72.39,13.462 53.721,13.589 -63.627,14.224 -61.595,14.224 42.164,14.224 43.434,14.224 44.704,14.224 45.974,14.224 47.244,14.224 48.514,14.224 49.784,14.224 50.927,14.224 55.889,14.233 72.39,14.478 51.943,14.732 54.619,14.741 56.769,14.986 42.164,15.494 43.434,15.494 44.704,15.494 45.974,15.494 47.244,15.494 48.514,15.494 49.784,15.494 50.927,15.494 52.832,15.621 55.517,15.639 -72.39,16.002 56.769,16.256 51.825,16.392 53.721,16.51 72.39,17.018 52.723,17.29 54.61,17.399 53.621,18.188 55.508,18.297 -72.39,18.542 54.483,19.05 56.406,19.195 72.39,19.558 57.277,19.812 55.381,19.948 56.279,20.846 -72.39,21.082 57.277,21.082 72.39,22.098 -72.39,23.622 72.39,24.13 -72,26 72,26 -69.596,26.416 -67.056,26.416 67.056,26.416 69.596,26.416 -64.516,26.67 64.516,26.67 9.398,27.051 8.255,27.432 -62.865,27.559 62.865,27.559 -8.636,27.94 61.849,28.956 -61.722,29.21 61.341,30.988 -61.341,31.496 -61.341,33.528 61.341,33.528 61.084,35.937 -61,36 -58.674,36.322 -56.134,36.322 -53.086,36.322 -50.546,36.322 -48.006,36.322 -45.466,36.322 -42.926,36.322 -40.386,36.322 -37.846,36.322 -35.306,36.322 -32.766,36.322 -30.226,36.322 -27.686,36.322 -25.146,36.322 -22.606,36.322 -20.066,36.322 -17.526,36.322 -14.986,36.322 -12.446,36.322 -9.906,36.322 -7.366,36.322 -4.826,36.322 -2.286,36.322 0.254,36.322 2.794,36.322 5.334,36.322 7.874,36.322 10.414,36.322 12.954,36.322 15.494,36.322 18.034,36.322 20.574,36.322 23.114,36.322 25.654,36.322 28.194,36.322 30.734,36.322 33.274,36.322 35.814,36.322 38.354,36.322 40.894,36.322 43.434,36.322 45.974,36.322 48.514,36.322 51.054,36.322 53.594,36.322 56.134,36.322 58.674,36.322
  other v2: 9.652,-27.305
I2C1_SCL: D700.2 FE704.1 IC200.45 IC501.2 R704.2 | length 34.2
  Top Layer w0.254: IC200.45@1.25,-3.475 1.25,-4.552 v1(1.778,-5.08) 2.032,-5.334 2.032,-9.398 2.559,-9.925 IC501.2@4.126,-9.925
  Top Layer w0.381: v1(5.084,-21.982) 5.094,-21.992 R704.2@5.094,-22.977 ; R704.2@5.104,-22.987 5.104,-24.408 5.461,-24.765 6.13,-24.765 D700.2@6.162,-24.797 6.162,-26.096 5.842,-26.416 FE704.1@5.842,-28.345
  Bottom Layer w0.254: v1(1.778,-5.08) 1.778,-15.113 1.829,-15.164 1.829,-15.182 5.084,-18.438 v1(5.084,-21.982)
I2C1_SDA: D700.1 FE703.1 IC200.46 IC501.1 R703.2 | length 35.7
  Top Layer w0.254: IC200.46@1.75,-3.475 1.75,-4.29 v1(2.54,-5.08) 2.54,-8.382 3.302,-9.144 4.191,-9.144 4.172,-9.125 IC501.1@4.126,-9.125
  Top Layer w0.381: FE703.1@8.382,-28.345 8.382,-26.416 8.062,-26.096 D700.1@8.062,-24.797 8.858,-24.797 9.295,-24.36 R703.2@9.295,-22.987 ; v1(9.275,-21.982) 9.285,-21.992 R703.2@9.285,-22.977
  Bottom Layer w0.254: v1(2.54,-5.08) 2.54,-14.732 5.842,-18.034 5.842,-20.701 6.096,-20.955 8.248,-20.955 v1(9.275,-21.982)
LED1: R203.2 R718.1 T702.1 | length 64.3
  Top Layer w0.254: R203.2@8.058,-3.81 8.874,-3.81 v1(9.144,-4.08)
  Top Layer w0.381: T702.1@-34.81,-29.068 -34.798,-29.056 R718.1@-34.798,-27.432 -34.79,-27.424 v1(-34.04,-27.424)
  MidLayer1 w0.254: v1@-33.986,-27.382 -32.766,-26.162 -17.907,-26.162 -8.382,-16.637 v1(9.144,-16.637)
  Bottom Layer w0.254: v1(9.144,-16.637) 9.779,-16.002 9.779,-4.715 v1(9.144,-4.08)
LED2: R203.4 R719.1 T701.1 | length 61.1
  Top Layer w0.254: R203.4@8.058,-3.31 9.298,-3.31 9.306,-3.302 v1(9.652,-3.302)
  Top Layer w0.381: T701.1@-28.968,-29.068 -28.956,-29.056 R719.1@-28.956,-27.432 -28.948,-27.424 v1(-28.198,-27.424)
  MidLayer1 w0.254: v1(-28.198,-27.424) -27.57,-26.797 -17.653,-26.797 -8.128,-17.272 v1(10.414,-17.272)
  Bottom Layer w0.254: v1(9.652,-3.302) 10.414,-4.064 v1(10.414,-17.272)
LED3: R203.6 R717.1 T700.1 | length 58.1
  Top Layer w0.254: R203.6@8.058,-2.81 8.874,-2.81 v1(9.144,-2.54)
  Top Layer w0.381: T700.1@-23.126,-29.068 -23.114,-29.056 R717.1@-23.114,-27.432 -23.106,-27.424 v1(-22.356,-27.424)
  MidLayer1 w0.254: v1@-22.342,-27.422 -17.389,-27.422 -7.874,-17.907 v1(11.43,-17.907)
  Bottom Layer w0.254: v1(9.144,-2.54) 9.906,-2.54 11.049,-3.683 11.049,-16.51 11.43,-16.891 v1(11.43,-17.907)
NetC800_1: C800.1 R801.2 R802.1 | length 6.3
  Top Layer w0.203: R802.1@25.297,16.256 25.297,14.835 25.654,14.478 C800.1@27.075,14.478
  Top Layer w0.254: R802.1@25.297,16.256 25.781,16.256 26.047,16.522 26.047,17.792 26.289,18.034 R801.2@26.797,18.034
NetC801_2: C801.2 R800.1 | length 1.7
  Top Layer w0.254: C801.2@20.828,18.796 R800.1@22.503,18.796
NetC900_1: C900.1 R900.2 R903.1 | length 2.8
  Top Layer w0.254: R903.1@36.933,4.699 R900.2@38.1,4.699 C900.1@38.1,3.048
NetC1011_1: C1011.1 IC1002.6 | length 1.9
  Top Layer w0.254: C1011.1@16.764,25.543 16.78,25.527 17.145,25.527 17.399,25.781 IC1002.6@18.505,25.781
NetC1011_2: C1011.2 IC1002.5 | length 1.8
  Top Layer w0.254: C1011.2@16.764,26.543 17.272,26.543 17.384,26.431 IC1002.5@18.505,26.431
NetD600_1: D600.1 R602.1 | length 2
  Top Layer w0.381: D600.1@-18.442,-33 R602.1@-18.442,-30.968
NetD600_2: D600.2 IC600.20 | length 64.3
  Top Layer w0.254: IC600.20@-52.679,-1.917 -51.701,-1.917 v1(-51.054,-1.27) ; v1(-46.99,-33.782) -46.355,-34.417 -22.225,-34.417 ; -22.225,-34.404 -20.565,-34.404 -20.342,-34.181 D600.2@-20.342,-33
  Bottom Layer w0.254: v1(-51.054,-1.27) -49.784,-2.54 -49.784,-30.988 v1(-46.99,-33.782)
NetD601_1: D601.1 R603.1 | length 2
  Top Layer w0.381: D601.1@-12.854,-33 R603.1@-12.854,-30.968
NetD601_2: D601.2 IC600.19 | length 70.1
  Top Layer w0.254: IC600.19@-52.679,-2.417 -51.262,-2.417 v1(-51.011,-2.166) ; v1(-46.99,-34.671) -46.609,-35.052 -15.24,-35.052 -14.754,-34.566 D601.2@-14.754,-33
  Bottom Layer w0.254: v1(-51.011,-2.166) -50.419,-2.758 -50.419,-31.242 v1(-46.99,-34.671)
NetD702_2: D702.2 J700.A7 J700.B7 | length 5.3
  Top Layer w0.254: J700.A7@-66.294,-0.278 -65.469,-0.278 -65.199,-0.008 -65.199,0.429 -65.492,0.722 J700.B7@-66.294,0.722 ; -65.199,0 D702.2@-62.738,0
NetD702_3: D702.3 J700.A6 J700.B6 | length 6.4
  Top Layer w0.254: J700.A6@-66.294,0.222 -67.088,0.222 -67.31,0 -67.31,-0.508 -67.056,-0.762 -66.31,-0.762 J700.B6@-66.294,-0.778 -63.738,-0.778 -63.5,-1.016 -62.804,-1.016 D702.3@-62.738,-0.95
NetD708_2: D708.2 R712.1 | length 1.8
  Top Layer w0.381: D708.2@-26.289,-33.02 R712.1@-26.289,-31.242
NetD709_2: D709.2 R714.1 | length 1.8
  Top Layer w0.381: D709.2@-32.158,-33 -32.131,-32.973 R714.1@-32.131,-31.242
NetD710_2: D710.2 R716.1 | length 1.8
  Top Layer w0.381: D710.2@-38,-33 -37.973,-32.973 R716.1@-37.973,-31.242
NetD1000_1: D1000.1 R1000.2 | length 2
  Top Layer w0.381: D1000.1@-7.012,-33 R1000.2@-7.012,-30.968
NetD1001_1: D1001.1 R1001.2 | length 2
  Top Layer w0.381: D1001.1@-1.17,-33 R1001.2@-1.17,-30.968
NetFE700_2: FE700.2 J701.1 | length 2.2
  Top Layer w0.381: J701.1@16.002,-32.004 FE700.2@16.002,-29.845
NetFE701_2: FE701.2 J701.2 | length 2.2
  Top Layer w0.381: J701.2@13.462,-32.004 FE701.2@13.462,-29.845
NetFE702_2: FE702.2 J701.3 | length 2.2
  Top Layer w0.381: J701.3@10.922,-32.004 FE702.2@10.922,-29.845
NetFE703_2: FE703.2 J701.4 | length 2.2
  Top Layer w0.381: J701.4@8.382,-32.004 FE703.2@8.382,-29.845
NetFE704_2: FE704.2 J701.5 | length 2.2
  Top Layer w0.381: J701.5@5.842,-32.004 FE704.2@5.842,-29.845
NetFE705_2: FE705.2 J701.6 | length 2.2
  Top Layer w0.381: J701.6@3.302,-32.004 FE705.2@3.302,-29.845
NetFE706_2: FE706.2 J702.1 | length 2.2
  Top Layer w0.381: FE706.2@66.421,-7.62 J702.1@68.58,-7.62
NetFE707_2: FE707.2 J702.2 | length 2.2
  Top Layer w0.381: FE707.2@66.421,-10.16 J702.2@68.58,-10.16
NetFE708_2: FE708.2 J702.3 | length 2.2
  Top Layer w0.381: FE708.2@66.421,-12.7 J702.3@68.58,-12.7
NetFE709_2: FE709.2 J703.1 | length 2
  Top Layer w0.381: FE709.2@66.548,10.16 J703.1@68.58,10.16
NetFE710_2: FE710.2 J702.4 | length 2.2
  Top Layer w0.381: FE710.2@66.421,-15.24 J702.4@68.58,-15.24
NetFE711_2: FE711.2 J703.2 | length 2
  Top Layer w0.381: FE711.2@66.548,12.7 J703.2@68.58,12.7
NetFE712_2: FE712.2 J702.5 | length 2.2
  Top Layer w0.381: FE712.2@66.421,-17.78 J702.5@68.58,-17.78
NetFE713_2: FE713.2 J703.3 | length 2
  Top Layer w0.381: FE713.2@66.548,15.24 J703.3@68.58,15.24
NetFE714_2: FE714.2 J702.6 | length 2.2
  Top Layer w0.381: FE714.2@66.421,-20.32 J702.6@68.58,-20.32
NetFE715_2: FE715.2 J703.4 | length 2
  Top Layer w0.381: FE715.2@66.548,17.78 J703.4@68.58,17.78
NetFE716_2: FE716.2 J703.5 | length 2
  Top Layer w0.381: FE716.2@66.548,20.32 J703.5@68.58,20.32
NetFE717_2: FE717.2 J703.6 | length 2
  Top Layer w0.381: FE717.2@66.548,22.86 J703.6@68.58,22.86
NetIC202_3: IC202.3 R200.1 | length 2.5
  Top Layer w0.254: R200.1@0.254,10.16 IC202.3@2.794,10.16
NetIC202_7: IC202.7 R204.1 | length 2.5
  Top Layer w0.254: IC202.7@7.694,11.43 R204.1@10.16,11.43
NetIC203_8: IC203.8 R205.2 | length 1.8
  Top Layer w0.254: R205.2@-52.01,-24.324 IC203.8@-50.165,-24.324
NetIC400_1: IC400.1 R406.1 | length 20.2
  Top Layer w0.254: v1(-12.7,10.414) -12.041,10.414 R406.1@-11.914,10.287 ; v1(-6.518,23.697) IC400.1@-6.518,24.356
  MidLayer1 w0.254: v1(-12.7,21.336) -12.7,22.352 -11.355,23.697 v1(-6.518,23.697)
  Bottom Layer w0.254: v1(-12.7,10.414) v1(-12.7,21.336)
NetIC400_3: IC400.3 IC400.4 IC400.5 IC400.6 J400.36 J400.37 J400.38 J400.39 | length 13.7
  Top Layer w0.254: IC400.6@-8.418,25.356 -8.423,25.361 -8.423,26.491 -8.001,26.913 ; J400.39@-8.001,29.285 -8.001,26.913 ; J400.38@-7.501,29.285 -7.501,27.413 ; J400.37@-7.001,29.285 -7.001,27.411 ; IC400.3@-6.518,25.356 IC400.4@-6.518,25.856 ; IC400.4@-6.501,25.873 -6.501,26.911 ; J400.36@-6.501,29.285 -6.501,26.911 ; -8.001,26.913 -7.501,27.413 ; -7.501,27.413 -7.5,27.411 -7.001,27.411 ; -7.001,27.411 -6.501,26.911
NetIC400_7: IC400.7 R410.1 | length 1.8
  Top Layer w0.254: R410.1@-10.201,24.84 -10.185,24.856 IC400.7@-8.418,24.856
NetIC600_8: IC600.8 R600.2 R601.1 | length 5.4
  Top Layer w0.254: R601.1@-58.42,-5.715 R600.2@-58.42,-4.294 ; R600.2@-58.42,-4.421 -57.507,-4.421 -56.948,-3.862 -56.948,-3.019 -56.342,-2.413 -55.783,-2.413 IC600.8@-55.779,-2.417
NetIC900_3: IC900.3 R904.2 | length 8.7
  Top Layer w0.381: IC900.3@32.512,-4.572 32.512,-3.429 34.036,-1.905 37.846,-1.905 R904.2@38.989,-0.762
NetIC901_6: IC901.6 IC901.8 R901.2 R902.1 | length 7.1
  Top Layer w0.254: R902.1@40.489,-2.667 41.91,-2.667 42.545,-3.302 ; IC901.6@42.53,-4.318 42.545,-4.303 42.545,-3.302 ; R901.2@45.466,-4.318 IC901.8@43.83,-4.318 43.821,-4.309 43.821,-3.562 43.561,-3.302 42.545,-3.302
NetIC1001_2: IC1001.2 L1000.1 | length 2.1
  Top Layer w0.203: IC1001.2@-62.111,15.659 -62.111,16.248 -61.669,16.69 -61.669,17.452 L1000.1@-61.595,17.526
NetIC1001_4: IC1001.4 L1000.2 | length 2
  Top Layer w0.203: L1000.2@-63.495,17.526 -63.5,17.521 -63.5,16.51 -63.44,16.45 -63.404,16.414 -63.393,16.414 -63.14,16.161 -63.14,15.688 IC1001.4@-63.111,15.659
NetIC1001_6: IC1001.6 R1002.2 | length 4.1
  Top Layer w0.203: R1002.2@-65.654,10.16 -65.654,11.816 -64.681,12.789 IC1001.6@-63.611,12.789
NetIC1002_1: IC1002.1 R1003.1 | length 3.2
  Top Layer w0.254: IC1002.1@20.32,25.781 20.32,24.638 20.955,24.003 R1003.1@22.098,24.003